# KiCad board C68.kicad_pcb (continued)
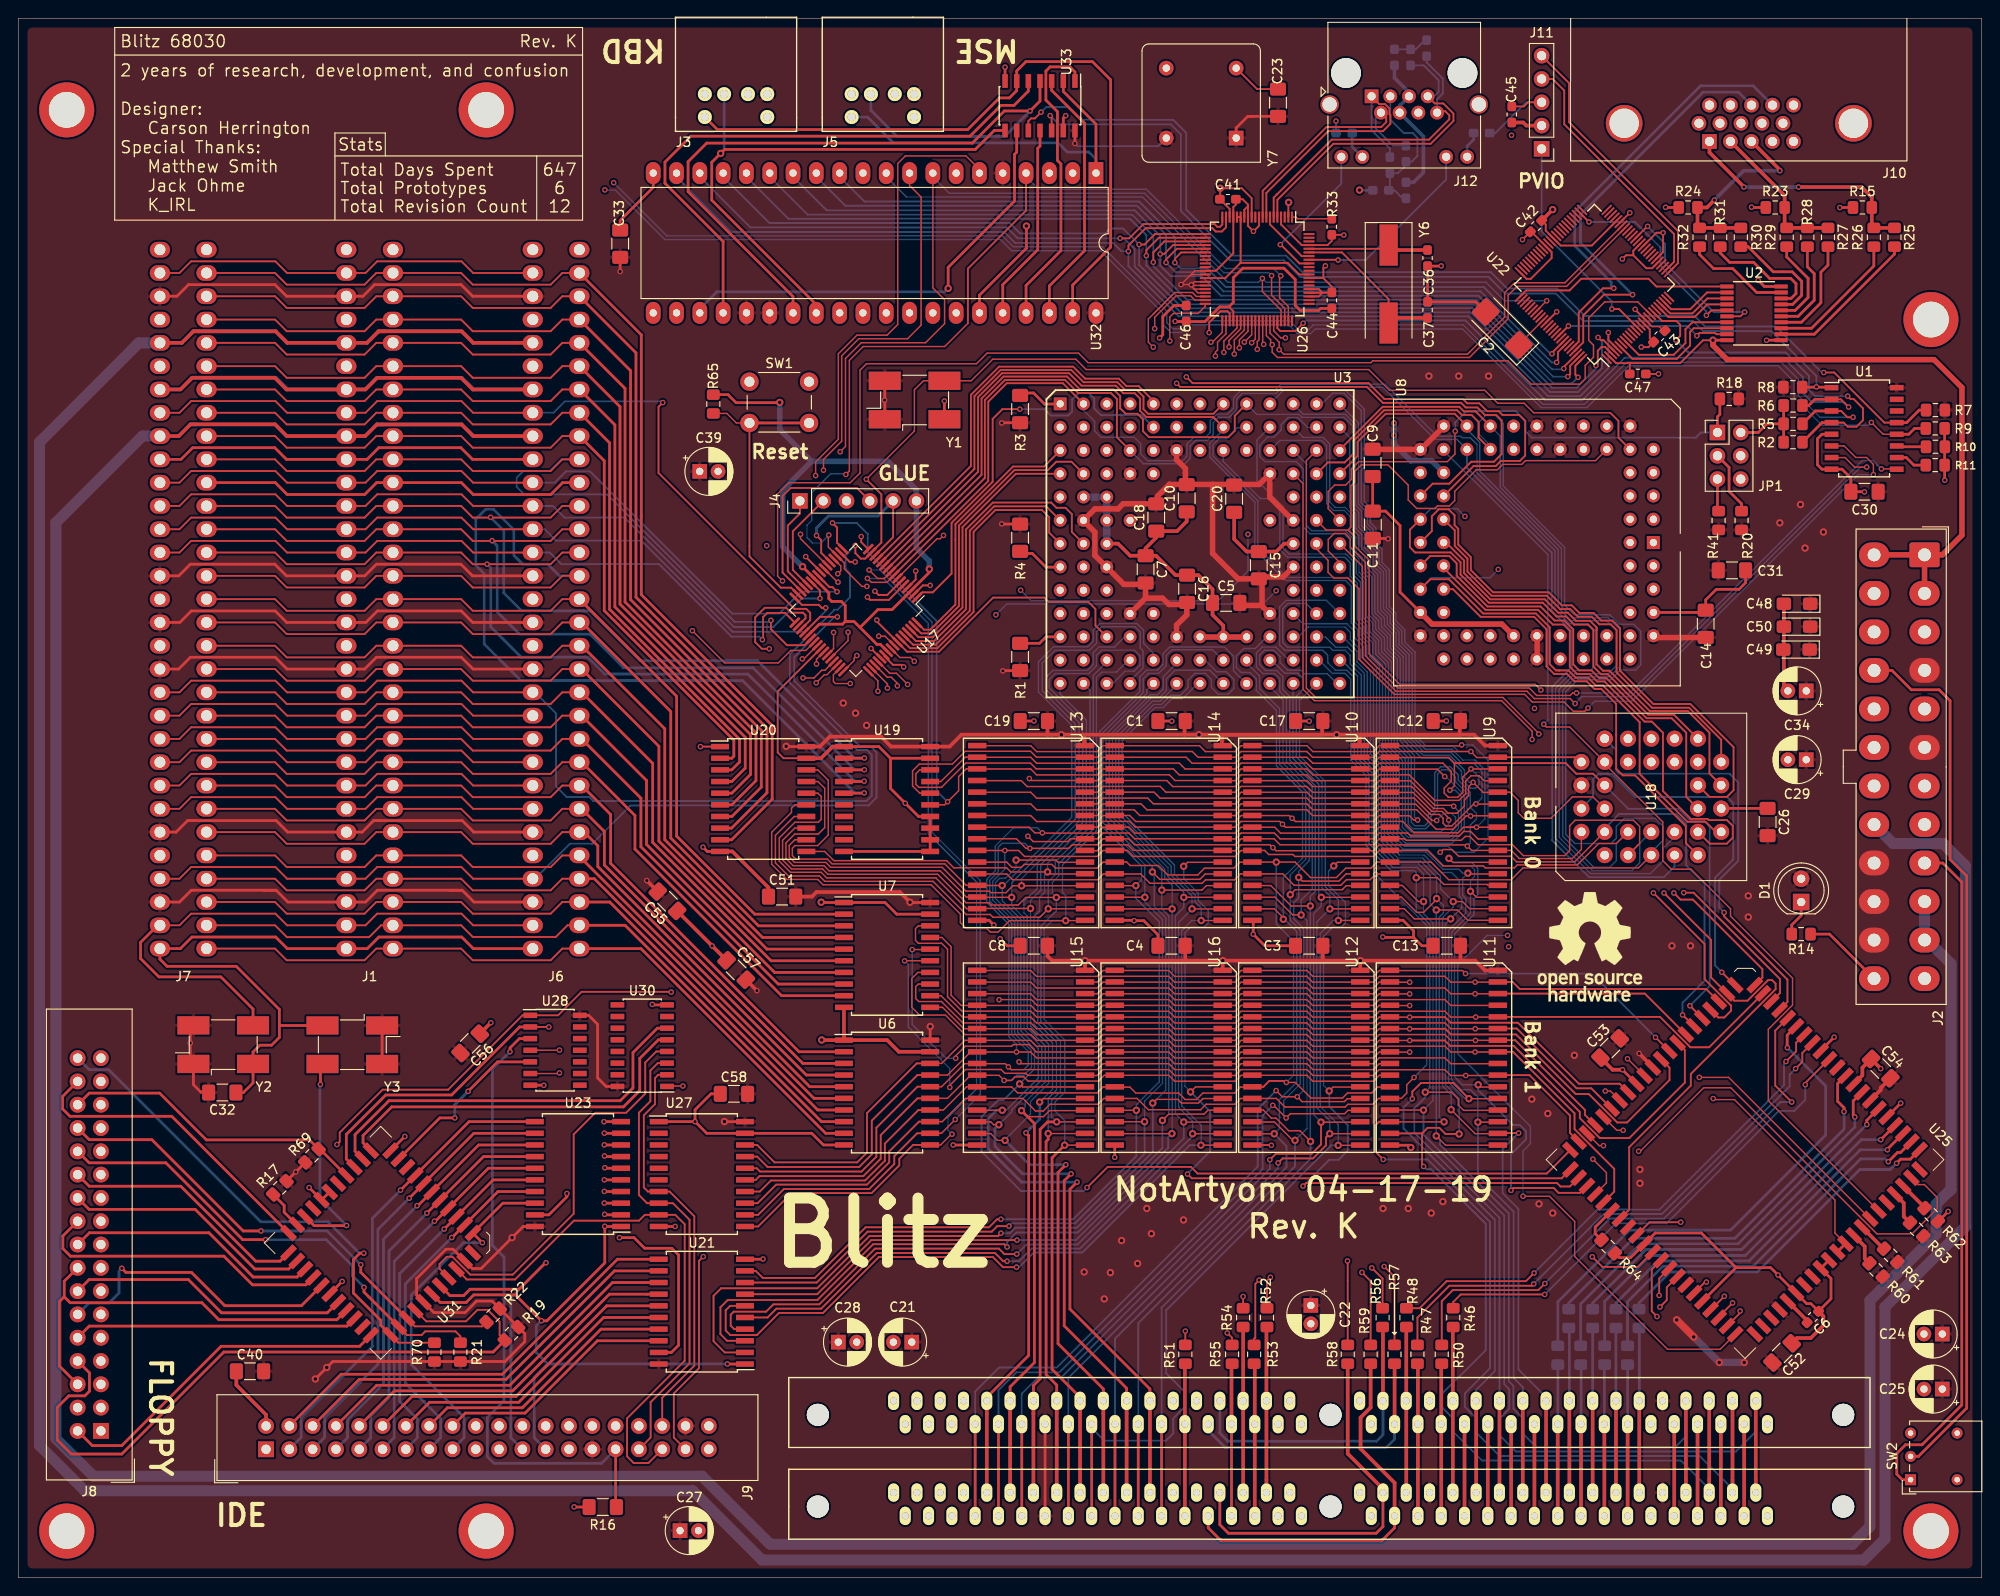
[diagram p0: board, top side]
## Routing (per net, layer and track width the routed paths; a pad name or vN(x,y) marks a point on that pad's centre or on a via; arc(x,y) is an arc through that point) (continued)
  Top w0.2: U25.25 174.54,53.85 170.1,53.85 163.45,60.5 156.12,60.5 155.52,61.1 v1(151.66,61.1)
  In1.Cu w0.15: v1(155.91,82.59) 154.87,83.63 152.12,83.63 150.6,82.11 150.6,69.19 152.04,67.75 152.04,65.94 152.67,65.31 152.67,62.12 v1(151.66,61.1)
  In2.Cu w0.15: U18.26 179.26,90.2 179.26,92.04 177.88,93.42 170.45,93.42 164.28,87.25 157.93,87.25 157.1,86.42 155.8,86.42 155.31,85.93 155.31,85.15 153.36,83.2 153.36,81.87 154.03,81.2 158.23,81.2 158.49,80.94 159.41,80.94 159.9,81.43 159.9,82.3 158.54,83.66 157.44,83.66 156.37,82.59 v1(155.91,82.59) ; v1(131.4,133.58) 131.1,133.88 130.17,133.88 129.79,133.5 129.79,132.75 130.76,131.79 133.18,131.79 134.7,130.27 141.76,130.27 142.97,129.06 142.97,126.93 142.55,126.51 140.96,126.51 140.45,126 140.45,124.38 U3.C11
  Bottom w0.15: v1(155.91,82.59) 155.91,82.17 155.05,81.31 151.81,81.31 151.17,81.95 151.17,89.26 149.66,90.77 149.66,99.89 148.59,100.96 148.59,102.3 147.62,103.27 147.62,104.1 146.92,104.8 146.92,108.82 146.13,109.61 146.13,111.08 145.48,111.73 145.48,113.3 144.63,114.15 140.95,114.15 140.42,114.68 140.42,121.39 138.94,122.87
/A10: length 290.1
  Top w0.15: 116.04,84.36 117.59,84.36 118.23,84.99 123.09,84.99 123.72,84.36 U14.27 ; 99.39,64.72 98.09,64.72 97.81,64.43 97.81,63.14 98.14,62.81 100.62,62.81 102.95,60.48 110.36,60.48 111,59.84 116.27,59.84 ; 131.04,59.84 126.03,59.84 125.39,60.48 118.23,60.48 117.59,59.84 116.04,59.84 ; 131.09,59.84 132.65,59.84 133.28,60.48 140.44,60.48 141.07,59.84 146.09,59.84 ; 131.09,84.36 132.65,84.36 133.28,84.99 140.44,84.99 141.07,84.36 146.09,84.36 ; 146.15,59.84 147.71,59.84 148.34,60.48 155.5,60.48 156.13,59.84 v1(158.8,59.84) 161.15,59.84 ; 146.15,84.36 147.71,84.36 148.34,84.99 152.14,84.99 153.92,83.21 154.88,83.21 155.3,82.79 155.3,82.25 155.6,81.95 156.24,81.95 158.64,84.35 158.91,84.35 ; v1(158.88,84.36) 158.91,84.33 160.99,84.33 ; U26.42 131.63,135.61 130.71,134.69 130.71,133.83 130.48,133.6 v1(130.48,133.18)
  Top w0.2: U11.27 163.34,59.87 169.85,53.35 171.45,53.35 U25.27
  In1.Cu w0.15: v1(158.88,84.36) 158.88,83.44 159.93,82.39 159.93,79.96 160.76,79.13 160.76,64.4 160.25,63.89 160.25,57.28 159.34,56.37 158.36,56.37 157.79,56.94 157.79,58.84 v1(158.8,59.84)
  In2.Cu w0.15: v1(158.88,84.36) 158.88,83.77 160.21,82.44 160.21,80.37 158.96,79.12 157.33,79.12 156.13,80.32 154.48,80.32 153.05,81.75 153.05,83.32 155,85.27 155,86.05 155.67,86.72 156.97,86.72 157.81,87.56 164.16,87.56 170.33,93.73 178.27,93.73 U18.23 ; U3.A13 144.04,128.96 142.33,130.67 134.88,130.67 133.36,132.18 131.47,132.18 130.71,132.94 130.71,132.95 v1(130.48,133.18)
  Bottom w0.15: v1(158.88,84.36) 159.53,85.01 159.53,87.91 158.64,88.8 157.33,88.8 156.13,90 153.22,90 151.58,91.64 151.58,100.64 150.49,101.73 150.49,103.09 149.53,104.05 149.53,104.91 148.8,105.64 148.8,109.63 148.01,110.42 148.01,111.9 147.36,112.55 147.36,114.14 146.74,114.76 146.74,116.38 146.07,117.05 146.07,125.88 144.14,127.81
/A11: length 303.9
  Top w0.15: 161.15,58.57 v1(158.83,58.57) 156.13,58.57 155.5,59.21 148.34,59.21 147.71,58.57 146.15,58.57 ; 160.99,83.06 158.34,83.06 v1(158.3,83.03) ; 146.09,83.08 141.07,83.08 140.44,83.72 133.28,83.72 132.65,83.08 131.09,83.08 ; 146.09,58.57 141.07,58.57 140.44,59.21 133.28,59.21 132.65,58.57 131.09,58.57 ; 116.04,58.57 117.59,58.57 118.23,59.21 125.39,59.21 126.03,58.57 131.04,58.57 ; 158.28,83.05 157.82,83.05 156.37,81.6 154.54,81.6 152.42,83.72 148.34,83.72 147.71,83.08 146.15,83.08 ; 116.27,58.57 111,58.57 110.37,59.21 103.17,59.21 101.05,61.33 98.23,61.33 97.38,62.18 97.38,65.32 98.04,65.99 U7.14 ; 116.04,83.08 117.59,83.08 118.23,83.72 121.61,83.72 122.24,83.09 U14.26 ; v1(129.99,134.69) 130.14,134.69 131.23,135.78 U26.41
  Top w0.2: U25.29 170.75,50.45 170.75,51 163.16,58.59 U11.26
  In1.Cu w0.15: v1(158.3,83.03) 158.82,83.03 159.62,82.23 159.62,79.8 160.44,78.98 160.44,64.52 159.93,64.01 159.93,57.42 159.2,56.69 158.49,56.69 158.11,57.07 158.11,57.85 v1(158.83,58.57)
  In2.Cu w0.15: U18.25 176.35,93.11 170.57,93.11 163.55,86.09 157.51,86.09 156.47,85.05 155.68,85.05 153.67,83.04 153.67,82.01 154.18,81.5 158.35,81.5 158.61,81.24 159.27,81.24 159.58,81.55 159.58,82.17 158.72,83.03 v1(158.3,83.03) ; v1(129.99,134.69) 129.38,134.08 129.38,132.58 130.56,131.4 133.04,131.4 134.53,129.91 141.51,129.91 142.58,128.84 142.58,127.34 142.09,126.85 140.61,126.85 140.07,126.31 140.07,124.77 139.47,124.17 137.7,124.17 U3.C10
  Bottom w0.15: 136.4,122.87 137.51,123.98 142.04,123.98 142.6,123.42 142.6,117.11 143.36,116.35 144.51,116.35 145.15,115.71 145.15,114.09 145.8,113.44 145.8,111.86 146.45,111.21 146.45,109.74 147.23,108.96 147.23,104.94 147.94,104.23 147.94,103.42 148.91,102.45 148.91,101.1 149.97,100.04 149.97,90.93 151.5,89.4 151.5,82.15 152,81.65 153.4,81.65 153.98,82.23 153.98,83.01 154.69,83.72 154.69,87.59 155.18,88.08 155.84,88.08 156.65,87.27 156.65,86.76 157.91,85.5 157.91,83.42 v1(158.3,83.03)
/A12: length 280.2
  Top w0.15: 157.93,79.77 157.81,79.89 148.32,79.89 147.69,79.25 137.07,79.25 v1(136.74,79.59) 136.43,79.9 133.27,79.9 132.62,79.25 130.99,79.25 ; v1(157.94,79.76) 158.41,79.28 162.72,79.28 163.61,78.4 169.37,78.4 170.37,79.4 U18.4 ; 115.99,54.75 117.59,54.75 118.23,55.39 125.4,55.39 126.04,54.75 132.62,54.75 133.27,55.39 140.47,55.39 141.12,54.75 147.69,54.75 148.32,55.38 155.49,55.38 156.12,54.75 v1(157.76,54.75) 160.99,54.75 ; 116.27,54.76 110.03,54.76 109.8,54.99 107.53,54.99 107.12,55.4 103.25,55.4 101.53,53.68 v1(101.53,53.45) ; U14.23 121.54,79.28 120.93,79.9 118.23,79.9 117.59,79.25 115.99,79.25 ; v1(125.51,134.83) 125.51,137.44 125.9,137.83 128.6,137.83 129.38,138.61 U26.40 ; U7.15 96.6,67.25 v1(96.6,67.25)
  Top w0.2: U11.23 164.72,54.78 169.12,50.38 169.12,48.49 U25.31
  In1.Cu w0.15: v1(157.94,79.76) 157.94,78.98 159.77,77.15 159.77,64.84 159.23,64.3 158.44,64.3 156.85,62.71 156.85,56.55 157.76,55.64 v1(157.76,54.75)
  In2.Cu w0.15: v1(125.51,134.83) 125.81,134.53 126.32,134.53 130.17,130.68 132.64,130.68 134.15,129.17 139.58,129.17 140.25,128.5 140.25,127.37 139.66,126.78 139.66,126.13 U3.B11
  Bottom w0.15: 158.25,81.83 158.25,82.03 158.94,82.72 158.94,83.31 158.25,84 158.25,85.63 156.96,86.92 156.96,87.51 156.08,88.39 155.04,88.39 154.38,87.73 154.38,83.9 153.65,83.17 153.65,82.34 153.27,81.96 152.23,81.96 151.82,82.37 151.82,89.52 150.3,91.04 150.3,100.15 149.22,101.23 149.22,102.59 148.27,103.54 148.27,104.34 147.54,105.07 147.54,109.1 146.76,109.88 146.76,111.35 146.11,112 146.11,113.6 145.47,114.24 145.47,115.84 144.63,116.68 143.53,116.68 142.94,117.27 142.94,123.6 142.23,124.31 140.04,124.31 138.94,125.41 ; 158.25,81.83 158.25,81.05 ; 158.25,81.83 158.25,80.07 v1(157.94,79.76) ; v1(96.6,67.25) 97,66.85 97,60.03 101.53,55.5 v1(101.53,53.45)
/A13: length 302.1
  Top w0.15: 131.09,57.31 132.65,57.31 133.28,57.94 140.44,57.94 141.07,57.31 146.09,57.31 ; 131.04,57.31 126.03,57.31 125.39,57.94 118.23,57.94 117.59,57.31 116.04,57.31 ; 116.27,57.31 110.96,57.31 110.14,58.12 108.45,58.12 108.27,57.94 103.22,57.94 102.18,56.9 v1(102.18,56.62) ; 146.09,81.81 138.12,81.81 v1(137.79,82.14) 137.48,82.45 133.28,82.45 132.65,81.81 131.09,81.81 ; v1(158.94,81.81) 157.52,81.81 156.92,81.21 152.13,81.21 150.89,82.45 148.34,82.45 147.71,81.81 146.15,81.81 ; 116.04,81.81 117.59,81.81 118.23,82.45 121.13,82.45 121.75,81.82 U14.25 ; 158.87,81.81 161.15,81.81 ; 158.87,81.81 158.41,81.81 ; 158.87,81.81 157.78,81.81 ; 161.15,57.31 v1(158.78,57.31) 156.13,57.31 155.5,57.94 148.34,57.94 147.71,57.31 146.15,57.31 ; U26.39 128.24,139.28 127.77,139.75 126.2,139.75 123.86,137.41 v1(123.86,136.17) ; U7.16 99.34,68.47 v1(97.43,68.47)
  Top w0.2: U11.25 162.93,57.32 169.62,50.62 169.62,48.9 173.95,44.57 173.95,42.09 U25.37
  In1.Cu w0.15: 158.93,81.8 158.93,80.04 160.12,78.85 160.12,64.68 159.59,64.15 159.59,58.12 v1(158.78,57.31)
  In2.Cu w0.15: v1(158.94,81.81) 154.32,81.81 153.98,82.15 153.98,82.92 155.81,84.75 156.6,84.75 157.63,85.78 163.68,85.78 170.7,92.8 175.95,92.8 176.72,92.03 176.72,90.2 U18.28 ; U3.A12 141.5,128.98 140.93,129.55 134.34,129.55 132.85,131.04 130.36,131.04 125.23,136.17 v1(123.86,136.17)
  Bottom w0.15: 141.48,127.95 142.06,127.95 143.24,129.13 144.5,129.13 146.38,127.25 146.38,117.18 147.05,116.51 147.05,114.89 147.67,114.27 147.67,112.67 148.32,112.02 148.32,110.56 149.12,109.76 149.12,105.75 149.84,105.03 149.84,104.18 150.8,103.22 150.8,101.87 151.92,100.75 151.92,91.75 153.34,90.33 156.25,90.33 157.44,89.14 158.78,89.14 159.85,88.07 159.85,82.72 v1(158.94,81.81) ; v1(102.18,56.62) 101.12,56.62 97.43,60.32 v1(97.43,68.47)
/A14: length 304.4
  Top w0.15: 134.95,86.89 140.46,86.89 141.1,86.25 147.7,86.25 148.34,86.89 149.95,86.89 ; U14.4 125.18,86.91 125.83,86.25 132.64,86.25 133.28,86.89 134.89,86.89 ; 104.84,86.89 109.31,86.89 109.96,86.25 117.59,86.25 118.24,86.89 119.84,86.89 ; U7.17 100.66,69.79 101.67,68.79 101.67,63.49 102.78,62.38 110.35,62.38 111,61.74 117.59,61.74 118.24,62.38 119.84,62.38 ; v1(156.45,84.1) 156.35,84.2 154.4,84.2 151.72,86.88 149.79,86.88 ; 149.8,62.38 v1(151.66,62.38) ; 119.89,62.38 125.4,62.38 126.04,61.74 132.64,61.74 133.28,62.38 134.89,62.38 ; 134.95,62.38 140.46,62.38 141.1,61.74 147.7,61.74 148.34,62.38 149.95,62.38 ; U26.38 128.4,139.68 127.97,140.11 126.05,140.11 125.77,139.83 ; v1(123.71,134.15) 123.17,134.69 123.17,137.23 125.77,139.83 ; 125.77,139.83 123.71,137.77
  Top w0.2: U25.8 192.83,62.76 192.83,65.2 185.93,72.1 v1(185.93,72.52)
  In1.Cu w0.15: v1(151.66,62.38) 152.35,63.07 152.35,65.18 151.73,65.8 151.73,67.6 150.28,69.05 150.28,82.24 152,83.96 156.33,83.96 156.44,84.07
  In2.Cu w0.15: U18.29 169.81,91.47 163.81,85.47 157.82,85.47 v1(156.45,84.1) ; U3.B10 135.14,126.71 133.32,126.71 132.62,127.41 132.62,128.68 130.98,130.32 129.96,130.32 127.78,132.5 125.36,132.5 v1(123.71,134.15)
  Bottom w0.15: 136.4,125.41 135.01,124.02 135.01,119.62 137.85,116.78 137.85,112.24 138.49,111.6 144.7,111.6 145.49,110.81 145.49,109.34 146.28,108.55 146.28,104.53 146.99,103.82 146.99,103.01 147.95,102.05 147.95,100.68 149.02,99.61 149.02,90.48 150.51,88.99 150.51,81.69 151.51,80.69 155.98,80.69 156.97,81.68 156.97,83.58 v1(156.45,84.1)
  Bottom w0.2: v1(185.93,72.52) 185.4,73.05 185.4,76.07 187.48,78.15 187.48,86.7 186.52,87.65 174.45,87.65 174.18,87.92 174.18,90.2 U18.29
/A15: length 266.2
  Top w0.15: U18.3 171.64,85.12 169.39,85.12 167.06,82.79 164.09,82.79 163.49,83.39 163.49,84.74 162.59,85.64 161.35,85.64 ; 161.15,61.12 v1(158.85,61.12) 156.13,61.12 155.5,61.75 148.34,61.75 147.71,61.12 146.15,61.12 ; 160.99,85.61 159.68,85.61 v1(158.57,86.71) 158.08,86.22 158.08,85.25 157.62,84.79 157.62,84.14 156.82,83.34 155.85,83.34 155.33,83.86 154.26,83.86 151.86,86.26 148.34,86.26 147.71,85.62 146.15,85.62 ; U7.18 98.09,71.06 97.79,70.76 97.79,69.47 98.1,69.16 100.64,69.16 101.28,68.52 101.28,63.34 102.86,61.76 110.35,61.76 111,61.12 116.27,61.12 ; 146.09,85.62 141.07,85.62 140.44,86.26 133.28,86.26 132.65,85.62 131.09,85.62 ; 131.27,85.64 125.09,85.64 124.47,86.26 118.23,86.26 117.59,85.62 116.04,85.62 ; 116.04,61.12 117.59,61.12 118.23,61.75 125.39,61.75 126.03,61.12 131.04,61.12 ; 146.09,61.12 141.07,61.12 140.44,61.75 133.28,61.75 132.65,61.12 131.09,61.12
  Top w0.2: U11.28 178.94,61.13 182.25,57.82 184.3,57.82 U25.10
  In1.Cu w0.15: v1(158.85,61.12) 157.47,59.74 157.47,56.82 158.24,56.05 159.46,56.05 160.57,57.16 160.57,63.77 161.08,64.28 161.08,79.26 160.25,80.09 160.25,82.52 159.56,83.21 159.56,84.72 158.57,85.71 v1(158.57,86.71)
  Bottom w0.15: v1(158.57,86.71) 158.14,86.71 157.63,87.22 157.63,88.04 156,89.67 153.11,89.67 151.25,91.53 151.25,100.54 150.17,101.62 150.17,102.98 149.22,103.93 149.22,104.78 148.49,105.51 148.49,109.5 147.7,110.29 147.7,111.77 147.05,112.42 147.05,114.01 146.41,114.65 146.41,116.27 145.76,116.92 145.76,125.7 144.63,126.83 140.06,126.83 138.94,127.95
/A16: length 324.1
  Top w0.15: 149.79,88.14 154.66,88.14 v1(155.47,87.34) ; 134.95,63.66 140.46,63.66 141.1,63.01 147.7,63.01 148.34,63.66 149.95,63.66 ; 119.84,63.66 118.24,63.66 117.59,63.01 110.99,63.01 110.34,63.66 104.51,63.66 ; 104.84,88.17 110.34,88.17 110.99,87.52 117.59,87.52 118.24,88.17 119.84,88.17 ; 134.89,88.17 133.28,88.17 132.64,87.52 126.54,87.52 125.9,88.17 119.89,88.17 ; U19.15 100.96,84.25 v1(101.29,84.59) 102.49,85.79 102.49,87.34 103.33,88.18 104.51,88.18 ; 134.89,63.66 133.28,63.66 132.64,63.01 126.04,63.01 125.4,63.66 119.89,63.66 ; 149.8,63.65 v1(151.66,63.65) ; 134.95,88.17 140.46,88.17 141.1,87.52 147.7,87.52 148.34,88.17 149.95,88.17
  Top w0.2: U17.17 89.24,112.83 89.24,114.49 v1(88.74,114.99) ; U25.12 187.08,64.6 v1(185.68,66)
  In1.Cu w0.15: v1(151.66,63.65) 151.02,64.28 151.02,67.34 149.66,68.7 149.66,82.52 151.73,84.59 154.33,84.59 155.07,85.33 155.07,86.94 v1(155.47,87.34)
  In2.Cu w0.15: 155.46,87.34 155.46,86.96 154.68,86.18 154.68,85.4 152.49,83.21 152.22,83.21 151.96,82.95 151.96,81.96 154.22,79.7 155.88,79.7 157.08,78.5 160.69,78.5 166.91,84.72 169.5,84.72 U18.2
  Bottom w0.15: 133.85,125.38 132.89,125.38 131.65,124.14 130.84,124.14 130.21,123.51 130.21,122.3 135.11,117.4 135.11,112.25 138.31,109.05 144.78,109.05 145.62,108.21 145.62,104.23 146.36,103.49 146.36,102.73 147.32,101.77 147.32,100.41 148.38,99.35 148.38,90.19 149.87,88.7 149.87,81.4 151.2,80.07 156.25,80.07 157.6,81.42 157.6,85.33 155.59,87.34 v1(155.47,87.34)
  Bottom w0.2: v1(101.29,84.59) 100.09,85.79 100.09,104.29 92.59,111.79 92.59,113.79 91.39,114.99 v1(88.74,114.99) ; v1(185.68,66) 184.93,66.75 184.93,76.3 186.93,78.3 186.93,84.45 186.27,85.1 176.23,85.1 173.7,87.62 172.23,87.62 171.65,87.05 171.65,85.13 U18.2
/A17: length 234.4
  Top w0.15: U19.16 98.25,85.53 97.47,86.31 97.47,87.96 98.21,88.7 101.81,88.7 103.2,90.09 110.33,90.09 110.97,89.45 116.27,89.45 ; 116.04,64.93 117.59,64.93 118.23,65.56 125.39,65.56 126.03,64.93 131.04,64.93 ; 146.15,89.44 147.71,89.44 148.34,90.07 v1(158.32,90.07) 158.97,89.42 160.99,89.42 ; 131.09,89.44 132.65,89.44 133.28,90.07 140.44,90.07 141.07,89.44 146.09,89.44 ; 161.15,64.93 v1(158.79,64.93) 156.13,64.93 155.5,65.56 148.34,65.56 147.71,64.93 146.15,64.93 ; 146.09,64.93 141.07,64.93 140.44,65.56 133.28,65.56 132.65,64.93 131.09,64.93 ; 116.04,89.44 117.59,89.44 118.23,90.07 127.96,90.07 128.59,89.44 131.04,89.44
  Top w0.2: U18.30 169.86,89.44 161.35,89.44 ; U11.31 162.88,64.94 163.65,64.18 183.97,64.18 U25.14
  In1.Cu w0.15: v1(158.79,64.93) 159.46,65.59 159.46,76.96 157.04,79.38 157.04,82.29 157.65,82.9 157.65,89.4 v1(158.32,90.07)
  Bottom w0.15: 136.4,127.95 137.92,129.47 144.63,129.47 146.7,127.4 146.7,117.36 147.36,116.7 147.36,115.03 147.98,114.41 147.98,112.81 148.63,112.16 148.63,110.69 149.43,109.89 149.43,105.88 150.15,105.16 150.15,104.31 151.11,103.35 151.11,102.02 152.24,100.89 152.24,91.87 153.46,90.65 156.38,90.65 156.96,90.07 v1(158.32,90.07)
/A18: length 256.8
  Top w0.15: U19.17 100.56,86.8 103.21,89.45 104.51,89.45 ; 134.95,89.44 140.46,89.44 141.1,88.79 147.7,88.79 148.34,89.44 149.95,89.44 ; v1(156.04,85.85) 156.53,86.34 156.53,88.81 155.93,89.42 149.79,89.42 ; 134.95,64.93 140.46,64.93 141.1,64.28 147.7,64.28 148.34,64.93 149.95,64.93 ; 119.89,89.44 127.29,89.44 127.94,88.79 132.64,88.79 133.28,89.44 134.89,89.44 ; 119.84,64.93 118.24,64.93 117.59,64.28 110.99,64.28 110.34,64.93 104.84,64.93 ; 104.84,89.44 110.34,89.44 110.99,88.79 117.59,88.79 118.24,89.44 119.84,89.44 ; 119.89,64.93 125.4,64.93 126.04,64.28 132.64,64.28 133.28,64.93 134.89,64.93 ; 149.8,64.91 v1(151.66,64.91)
  Top w0.2: 156.53,88.81 156.54,88.8 168.66,88.8 169.81,87.65 171.65,87.65 U18.1 ; v1(182.2,62.35) 183.54,61.01 U25.16
  In1.Cu w0.15: 151.63,64.91 151.37,65.17 151.37,67.48 149.97,68.88 149.97,82.39 151.85,84.27 154.46,84.27 v1(156.04,85.85)
  Bottom w0.15: 131.32,122.87 131.32,121.71 135.39,117.64 136.55,117.64 137.51,116.68 137.51,112.08 138.33,111.26 144.56,111.26 145.18,110.64 145.18,109.17 145.95,108.4 145.95,104.4 146.67,103.68 146.67,102.88 147.64,101.91 147.64,100.54 148.7,99.48 148.7,90.31 150.19,88.82 150.19,81.54 151.35,80.38 156.12,80.38 157.28,81.54 157.28,85.19 156.62,85.85 v1(156.04,85.85)
  Bottom w0.2: v1(182.2,62.35) 184.35,64.5 184.35,81.9 183.65,82.6 182.18,82.6 180.95,83.83 175.48,83.83 U18.1
/A19: length 310.9
  Top w0.15: 146.15,88.17 147.71,88.17 148.34,88.8 155.28,88.8 156.18,87.9 156.18,86.84 155.42,86.08 155.42,85.53 155.87,85.08 156.89,85.08 157.44,85.63 157.44,87.27 v1(158.34,88.17) 161.15,88.17 ; U19.18 98.25,88.06 97.83,87.65 97.83,86.49 98.16,86.16 100.62,86.16 103.27,88.81 110.31,88.81 110.94,88.18 116.27,88.18 ; 131.04,88.17 127.18,88.17 126.54,88.8 118.23,88.8 117.59,88.17 116.04,88.17 ; 146.09,88.17 141.07,88.17 140.44,88.8 133.28,88.8 132.65,88.17 131.09,88.17 ; 161.15,63.66 v1(158.79,63.66) 156.13,63.66 155.5,64.29 148.34,64.29 147.71,63.66 146.15,63.66 ; 131.09,63.66 132.65,63.66 133.28,64.29 140.44,64.29 141.07,63.66 146.09,63.66 ; 161.29,63.68 161.27,63.66 ; 116.04,63.66 117.59,63.66 118.23,64.29 125.39,64.29 126.03,63.66 131.04,63.66
  Top w0.2: U3.A9 132.59,126.68 132.59,125.04 131.89,124.34 123.23,124.34 122.58,124.99 122.58,126.29 121.98,126.89 120.69,126.89 120.1,127.48 120.1,128.82 119.37,129.55 115.7,129.55 114.3,130.95 107.39,130.95 104.99,128.55 104.99,120.24 U17.10 ; U25.18 177.29,63.68 U11.30
  In1.Cu w0.15: v1(158.79,63.66) 157.16,62.03 157.16,56.69 158.11,55.74 159.59,55.74 160.88,57.03 160.88,63.63 161.39,64.14 161.39,79.38 160.56,80.21 160.56,82.65 159.87,83.34 159.87,84.85 159.28,85.44 159.28,87.22 v1(158.34,88.17)
  Bottom w0.15: v1(158.34,88.17) 159.21,87.3 159.21,86.46 158.82,86.07 158.27,86.07 157.3,87.04 157.3,87.93 155.88,89.35 152.97,89.35 150.94,91.38 150.94,100.4 149.86,101.48 149.86,102.84 148.9,103.8 148.9,104.63 148.17,105.36 148.17,109.37 147.39,110.15 147.39,111.64 146.74,112.29 146.74,113.87 146.1,114.51 146.1,116.13 145.44,116.79 145.44,125.57 144.51,126.5 139.91,126.5 139.59,126.82 134.99,126.82 133.86,127.95
/A20: length 296.2
  Top w0.15: 149.95,90.7 148.34,90.7 147.7,90.06 141.1,90.06 140.46,90.7 134.95,90.7 ; v1(157.32,90.79) 157.22,90.69 149.79,90.69 ; 149.95,66.19 148.34,66.19 147.7,65.55 141.1,65.55 140.46,66.19 134.95,66.19 ; 119.89,66.19 125.4,66.19 126.04,65.55 132.64,65.55 133.28,66.19 134.89,66.19 ; 119.84,66.19 118.24,66.19 117.59,65.55 110.99,65.55 110.34,66.19 104.84,66.19 ; 119.84,90.7 118.24,90.7 117.59,90.06 110.99,90.06 110.34,90.7 104.84,90.7 ; 149.8,66.19 157.41,66.19 v1(157.74,65.86) ; 119.89,90.7 128.75,90.7 129.39,90.06 132.64,90.06 133.28,90.7 134.89,90.7
  Top w0.2: 130.46,126.31 130.24,126.53 122.95,126.53 122.27,127.21 122.27,128.54 121.68,129.13 120.44,129.13 119.62,129.95 115.89,129.95 114.53,131.31 107.22,131.31 104.61,128.7 104.61,120.57 U17.11 ; 130.46,126.31 130.33,126.44 ; 130.46,126.31 U3.B8 ; U25.20 179.93,57.42 v1(178.45,58.9)
  In1.Cu w0.15: v1(157.32,90.79) 157.32,83.02 156.73,82.43 156.73,79.24 159.15,76.82 159.15,67.27 v1(157.74,65.86)
  Bottom w0.15: U3.B8 131.34,125.15 129.88,123.69 129.88,122.15 134.78,117.25 134.78,112.08 138.14,108.72 144.64,108.72 145.29,108.07 145.29,104.07 146.01,103.35 146.01,102.62 146.98,101.65 146.98,100.28 148.05,99.21 148.05,90.07 149.55,88.57 149.55,81.26 151.06,79.75 154.64,79.75 ; v1(157.32,90.79) 158.53,90.79 160.19,89.13 160.19,80.61 158.68,79.1 156.49,79.1 155.84,79.75 154.64,79.75 ; 154.64,79.75 154.73,79.75
  Bottom w0.2: v1(157.74,65.86) 171.49,65.86 v1(178.45,58.9)
/A21: length 169.6
  Top w0.15: v1(175.4,56.57) 175.41,56.57 U25.23
  Top w0.2: U3.A8 130.26,126.89 123.14,126.89 122.64,127.39 122.64,128.75 121.88,129.51 120.62,129.51 119.8,130.33 116.11,130.33 114.77,131.67 107.07,131.67 104.21,128.81 104.21,120.88 U17.12
  In1.Cu w0.15: v1(175.4,56.57) 165.5,66.47 165.5,84.62 163.28,86.85 163.28,92.62 159.85,96.05 151.03,96.05 144.62,89.65 136.78,89.65 130.22,96.2 130.22,126.86 U3.A8
/A22: length 116.8
  Top w0.15: v1(172.98,53.05) 173.54,53.05 U25.26
  In1.Cu w0.15: v1(172.98,53.05) 172.98,57.85 164.75,66.07 164.75,84.17 162.53,86.4 162.53,92.38 159.57,95.33 151.4,95.33 144.93,88.85 135.68,88.85 127.68,96.85 127.68,124.31 U3.B7
/A23: length 123.7
  Top w0.15: v1(174.93,48.78) 174.23,48.78 U25.28
  In1.Cu w0.15: U3.A7 128.8,126.98 129.85,125.93 129.85,96 136.6,89.25 144.8,89.25 151.22,95.67 159.78,95.67 162.93,92.53 162.93,86.67 165.15,84.45 165.15,66.28 173.6,57.82 173.6,54.72 174.93,53.4 v1(174.93,48.78)
/A24: length 125.7
  Top w0.15: v1(172.77,47.1) 172.31,47.1 U25.30
  In1.Cu w0.15: v1(172.77,47.1) 172.12,47.75 172.12,58.18 164.35,65.95 164.35,84.03 162.15,86.22 162.15,92.22 159.4,94.97 151.57,94.97 145.05,88.45 135.5,88.45 127.32,96.62 127.32,125.92 126.26,126.98 U3.A6
/A25: length 128.5
  Top w0.15: v1(171.62,45.62) 173.1,44.15 173.1,43.03 U25.36
  In1.Cu w0.15: v1(171.62,45.62) 171.62,58.15 163.95,65.82 163.95,83.83 161.75,86.03 161.75,92.1 159.22,94.62 151.75,94.62 145.22,88.1 135.25,88.1 127.72,95.62 126.38,95.62 125.2,96.8 125.2,124.37 U3.B6
/A26: length 45.2
  Top w0.2: U17.13 103.83,121.2 103.83,128.96 106.9,132.03 114.97,132.03 116.28,130.72 119.96,130.72 120.78,129.9 122.12,129.9 123.72,128.3 123.72,127.89
/A27: length 45.8
  Top w0.2: U17.1 98.53,107.42 99.67,107.42 101.72,109.47 101.72,115 106.2,119.48 106.2,126.33 107.26,127.39 v1(109.16,127.39)
  Bottom w0.2: U3.B5 122.41,126.74 118,126.74 117.28,127.46 117.28,128.54 116.67,129.15 115.57,129.15 114.86,128.44 114.86,127.12 114.44,126.7 112.54,126.7 111.85,127.39 v1(109.16,127.39)
/B0: length 12.4
  Top w0.3: U2.7 193.39,138.81 194.38,139.8 194.38,141.34 193.35,142.37 191.29,142.37 188.55,145.11 R30.2
/B1: length 13.3
  Top w0.3: U2.8 193.24,139.47 193.76,139.99 193.76,141.08 193.19,141.65 190.89,141.65 189.14,143.4 186.53,143.4 185.5,144.43 R31.2
/B2: length 11.5
  Top w0.3: R32.2 183.25,144.25 184.78,142.72 186.87,142.72 189.48,140.12 U2.9
/CAS0: length 18.1
  Top w0.4: R52.1 136.04,27.27 U5.40 U24.40
/CAS1: length 16.6
  Top w0.4: R53.1 134.77,23.25 U5.41 U24.41
/CAS2: length 18.1
  Top w0.4: R54.1 133.5,27.32 U5.42 U24.42
/CAS3: length 16.7
  Top w0.3: U24.43 U5.43
  Top w0.4: U5.43 132.23,23.26 R55.1 ; 132.15,6.65 U24.43
/D0: length 215.7
  Top w0.15: 149.8,50.94 149.84,50.98 v2(153.16,50.98) ; v2(153.17,73.71) 152.6,73.71 150.84,75.47 149.55,75.47
  Top w0.4: U5.2 U24.2
  In1.Cu w0.15: U3.K13 145.03,105.11 145.95,106.03 145.95,116.33 151.55,121.93 156.19,121.93 158.05,120.07 168.95,120.07 174.87,114.15 176.98,114.15 U8.3
  Bottom w0.15: 144.02,105.09 142.56,106.55 138.2,106.55 137.48,105.83 137.48,101.67 138.04,101.11 142.17,101.11 142.73,100.55 142.73,99.76 143.56,98.93 144.79,98.93 145.61,98.11 145.61,89.25 147.22,87.64 147.22,80.03 149.81,77.44 152.47,77.44 153.17,76.74 v2(153.17,73.71) 153.17,72.4 154.2,71.37 154.2,52.02 v2(153.16,50.98)
  Bottom w0.2: v2(153.16,50.98) 153.16,48.29 161.96,39.49 161.96,21.08 162.51,20.53 162.51,18.41 161.48,17.38 161.48,15.49 163.22,13.75 187.21,13.75 189.38,15.92 U5.2
/D1: length 222.8
  Top w0.15: 149.59,74.21 150.74,74.21 152.41,72.54 153.18,72.54 154.59,73.95 v2(154.59,74.03) ; 149.8,49.68 149.81,49.69 v2(155.4,49.69) ; 149.79,74.18 149.79,74.18
  Top w0.2: U11.14 148.31,49.71 147.91,49.31 147.91,46.45 v1(148.77,45.59)
  Top w0.4: U5.4 U24.4
  In1.Cu w0.15: U8.2 168.81,119.72 157.89,119.72 156.03,121.58 151.69,121.58 146.31,116.2 146.31,105.33 144.85,103.87 142.74,103.87 U3.K12
  Bottom w0.15: v2(155.4,49.69) 154.89,50.2 154.89,72.02 155.33,72.46 155.33,73.29 v2(154.59,74.03) 154.59,76.37 152.83,78.13 150.17,78.13 147.89,80.41 147.89,87.88 146.36,89.41 146.36,98.43 145.18,99.61 145.18,100.54 144.61,101.11 143.28,101.11 142.94,101.45 138.33,101.45 137.82,101.96 137.82,105.64 138.39,106.21 140.36,106.21 141.48,105.09
  Bottom w0.2: U24.4 186.84,9.67 183.26,13.26 161.47,13.26 158.9,15.83 158.9,17.39 157.67,18.62 157.67,20.09 160.41,22.83 160.41,38.79 153.61,45.59 v1(148.77,45.59)
/D2: length 208.5
  Top w0.15: v2(156.12,71.82) 152.17,71.82 151.06,72.94 149.59,72.94 ; 149.79,72.91 149.79,72.91
  Top w0.2: 153,48.44 153,45 v1(153.17,44.83) ; 153,48.44 U11.15 ; 153,48.44 153.61,49.04 154.89,49.04 155.56,48.37 v2(157.04,48.37)
  Top w0.4: U5.6 U24.6
  In1.Cu w0.15: 144.03,102.53 145.26,102.53 146.66,103.93 146.66,114.39 151.63,119.36 166.49,119.36 174.08,111.77 176.9,111.77 177.98,112.85 U8.1
  Bottom w0.15: 144.02,102.55 144.38,102.55 145.91,101.02 145.91,99.86 147.04,98.73 147.04,89.65 148.54,88.15 148.54,80.78 150.54,78.78 153.22,78.78 155.13,76.87 156.21,76.87 157.05,76.03 157.05,74.3 157.34,74.01 157.34,73.04 v2(156.12,71.82) 155.55,71.25 155.55,53.73 157.04,52.24 v2(157.04,48.37)
  Bottom w0.2: v1(153.17,44.83) 153.47,44.53 153.98,44.53 159.94,38.57 159.94,24.8 155.1,19.96 155.1,18.67 156.38,17.39 156.38,15.93 159.55,12.76 181.22,12.76 184.3,9.67 U24.6
